# Altium PCB Wall_Following_Robot_PCB.PcbDoc (part 2 of 2) (continued)
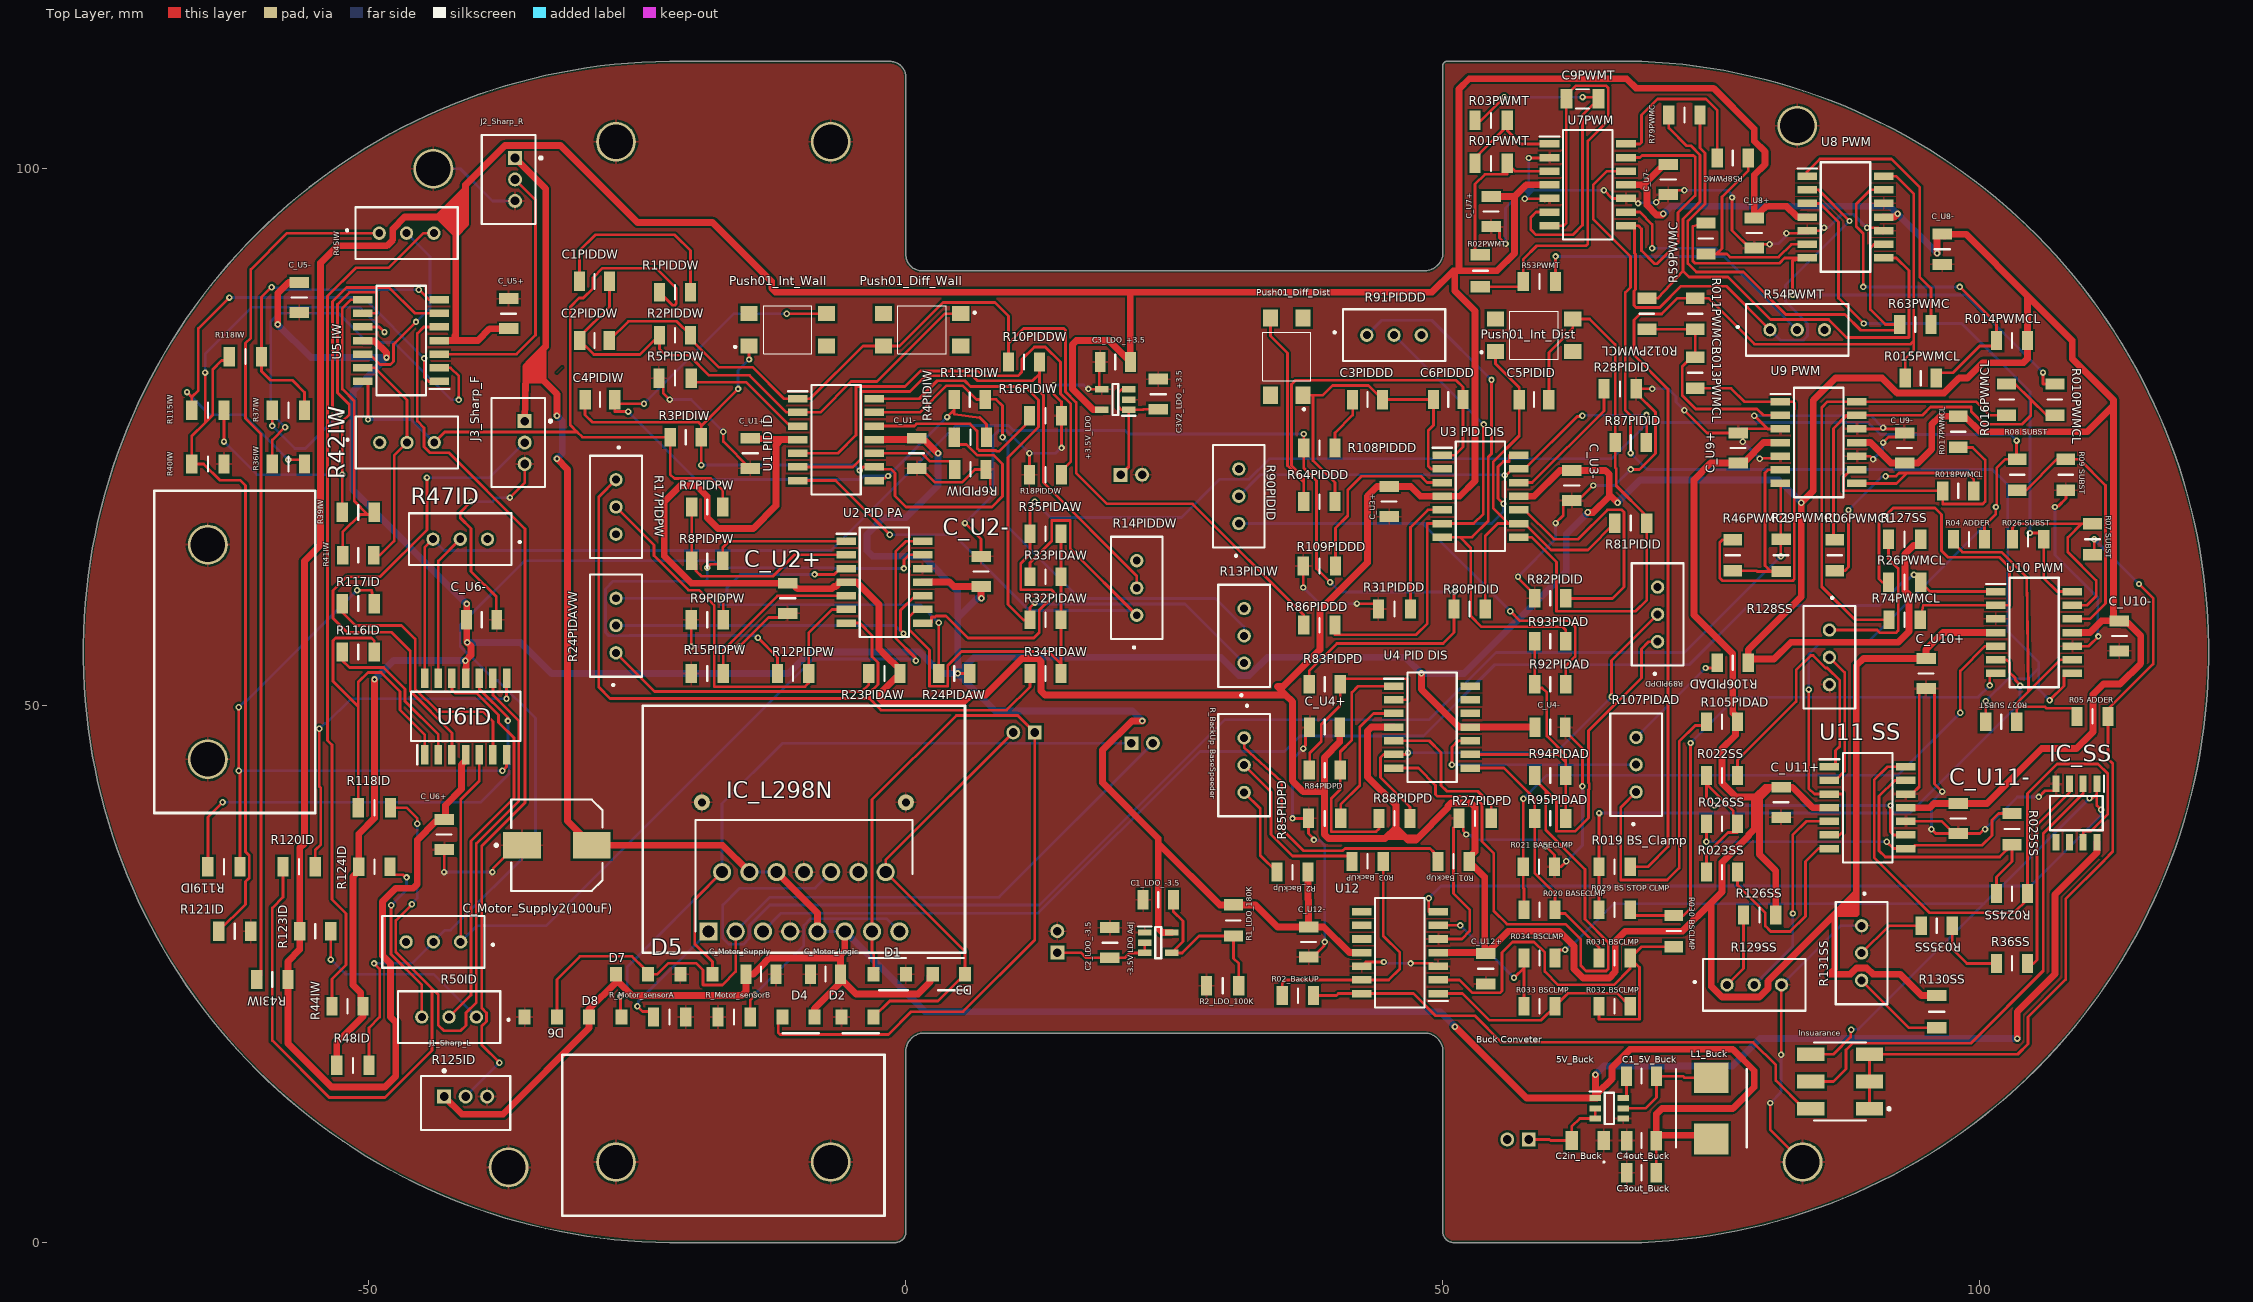
[diagram p0: Top Layer view]
## Nets (pads, with @x,y where several pads share a name; then routed paths per layer and width w, separated by ;. In a path a pad name is that pad's centre, name@x,y a point inside that pad or via, vN(x,y) a via of type N, cw(c..) or ccw(c..) an arc to the next point about the centre after c; other vN are vias at no path point) (continued)
"U3 PID DIS 4OUT": "U3 PID DIS.14" R90PIDID.1 R92PIDAD.1 | length 56.1
  Top Layer w0.254: v1(55.648,68.797) 55.145,69.3 55.145,72.246 55.632,72.734 56.181,72.734 56.181,73.31 57.062,73.31 ; v1(56.283,58.789) 57.172,57.9 61.744,57.9 62.328,57.316 62.328,54.562 61.45,53.684 R92PIDAD.1@61.45,52
  Bottom Layer w0.254: R90PIDID.1@31,66.96 48.112,66.96 ; v1(55.648,68.797) 55.648,68.06 54.548,66.96 48.112,66.96 ; v1(56.283,58.789) 48.112,66.96
"U4 PID DIS 1IN+": "U4 PID DIS.3" R85PIDPD.2 | length 12.9
  Top Layer w0.254: R85PIDPD.2@40.5,39.5 40.5,40.822 42.262,42.584 42.262,47.994 43.538,49.27 45.438,49.27
"U4 PID DIS 1IN-": "U4 PID DIS.2" R83PIDPD.2 R84PIDPD.1 | length 19.2
  Top Layer w0.254: R84PIDPD.1@37.55,44 37.607,44.057 37.607,45.607 38.681,46.681 38.681,48.257 40.45,50.026 R83PIDPD.2@40.45,52 40.45,52.515 46.681,52.515 46.681,50.54 45.438,50.54
"U4 PID DIS 1OUT": "U4 PID DIS.1" R84PIDPD.2 R88PIDPD.1 | length 23.4
  Top Layer w0.254: R88PIDPD.1@44.05,39.5 44.05,38.52 43.796,38.266 39.621,38.266 39.621,41.374 40.45,42.203 R84PIDPD.2@40.45,44 40.45,45.708 41.526,46.784 41.526,51.22 42.116,51.81 45.438,51.81
"U4 PID DIS 2IN+": "U4 PID DIS.5" R27PIDPD.1 | length 14.6
  Top Layer w0.254: 45.438,46.73 48.733,46.73 49.831,45.632 49.831,42.584 50.39,42.026 53.255,42.026 54.5,40.781 R27PIDPD.1@54.5,39.5
"U4 PID DIS 2IN-": "U4 PID DIS.6" R88PIDPD.2 R89PIDPD.2 | length 40.1
  Top Layer w0.254: v1(46.758,45.607) 46.611,45.46 45.438,45.46 44.472,45.46 44.193,45.181 44.193,43.309 46.95,40.552 R88PIDPD.2@46.95,39.5 ; v1(65.706,50.814) 65.706,54.206 R89PIDPD.2@70,58.5
  Bottom Layer w0.254: v1(46.758,45.607) 60.499,45.607 v1(65.706,50.814)
"U4 PID DIS 2OUT": "U4 PID DIS.7" R89PIDPD.1 R94PIDAD.1 | length 83.2
  Top Layer w0.254: 45.438,44.19 47.717,44.19 49.323,42.584 49.323,41.717 49.472,41.568 52.893,41.568 53.645,40.817 53.645,37.355 54.734,36.266 54.734,30.9 55.986,29.648 61.431,29.648 62.852,28.227 62.852,25.779 63.335,25.295 63.888,25.295 ; R94PIDAD.1@58.55,43.5 58.55,43.143 59.585,42.108 ; 63.888,25.295 65.212,25.295 65.405,25.488 65.405,27.95 63.242,30.113 63.242,34.761 59.585,38.418 59.585,42.108 ; R89PIDPD.1@70,55.96 69.176,55.96 68.5,55.284 68.5,52.592 63.573,47.664 63.573,42.818 63.63,42.761 63.63,42.239 63.573,42.182 63.573,39.536 62.328,38.291 60.576,38.291 60.576,41.117 59.585,42.108
"U4 PID DIS 3IN+": "U4 PID DIS.10" R107PIDAD.2 | length 20.8
  Top Layer w0.254: v1(50.847,44.5) 50.847,46.14 51.437,46.73 52.562,46.73
  Bottom Layer w0.254: v1(50.847,44.5) R107PIDAD.2@68,44.5
"U4 PID DIS 3IN-": "U4 PID DIS.9" R92PIDAD.2 R93PIDAD.2 R94PIDAD.2 R95PIDAD.1 | length 27.3
  Top Layer w0.254: 52.562,45.46 60.728,45.46 61.45,44.738 ; R93PIDAD.2@58.55,56 R92PIDAD.2@58.55,52 58.55,51.652 59.255,51.652 59.687,51.22 59.687,47.167 61.45,45.403 61.45,44.738 ; R95PIDAD.1@61.45,39.5 R94PIDAD.2@61.45,43.5 61.45,44.738
"U4 PID DIS 3OUT (DIS Error)": "R020 BASECLMP.1" "R031 BSCLMP.1" "U4 PID DIS.8" R95PIDAD.2 | length 25
  Top Layer w0.254: 52.562,44.19 55.699,44.19 58.55,41.339 R95PIDAD.2@58.55,39.5 58.55,34.4 60.45,32.5 60.45,31 60.45,30.646 61.39,30.646 64.55,27.486 64.55,26.5
"U4 SPEED SEL 4IN-": R035SS.2 R36SS.1 | length 6.8
  Top Layer w0.254: R035SS.2@97.45,29.5 97.45,27.344 98.796,25.998 101.55,25.998 R36SS.1@101.55,26
"U4 SPEED SEL 4OUT": IC_SS.3 R36SS.2 | length 18.7
  Top Layer w0.254: R36SS.2@104.45,26 104.45,25.998 105,25.998 105.33,26.328 105.33,38.876 108.365,41.91 IC_SS.3@108.365,42.712
"U5 INS AMP 1IN+(Connector01)": "U5 IW.3" J2_Sharp_R.2 | length 25
  Top Layer w0.254: -43.438,82.73 -36.27,82.73 -34.5,84.5 -34.5,97.1 J2_Sharp_R.2@-36.4,99
"U5 INS AMP 1IN-": "U5 IW.2" R36IW.1 | length 39.8
  Top Layer w0.254: R36IW.1@-59,72.5 -59,74.748 v1(-57.814,75.934) ; -43.438,81.46 -42.396,81.46 -41.634,80.698 v1(-41.634,78.474)
  Bottom Layer w0.254: v1(-57.814,75.934) -59.148,77.268 -59.148,85.768 -58.644,86.272 -58.576,86.272 -58.307,86.541 -52.852,86.541 -50.135,83.824 -47.676,83.824 -42.326,78.474 v1(-41.634,78.474)
"U5 INS AMP 1OUT": "U5 IW.1" R36IW.2 R115IW.1 | length 50.3
  Top Layer w0.254: v1(-66.945,79.198) -66.5,78.753 ; R115IW.1@-66.5,77.5 -66.5,78.753 ; v1(-63,88) -65.886,85.114 -65.886,79.367 -66.5,78.753 ; v1(-57.509,72.886) -56,72.886 R36IW.2@-56,72.5 ; v1(-44.86,82.335) -44.86,80.622 -44.428,80.19 -43.438,80.19
  Bottom Layer w0.254: v1(-66.945,79.198) -64.824,77.077 -61.7,77.077 v1(-57.509,72.886) ; v1(-63,88) -50.525,88 v1(-44.86,82.335)
"U5 INS AMP 2IN+(Connector02)": "U5 IW.5" J1_Sharp_L.2 | length 82.6
  Top Layer w0.254: -43.438,85.27 -44.897,85.27 -45.495,84.672 -45.495,76.495 -44.87,75.87 -44.87,74.106 -44.314,73.55 -42.55,73.55 -35.462,66.462 -35.462,40.958 -39.5,36.92 -39.5,21.844 -39.05,21.394 -39.05,20.606 -39.5,20.156 -39.5,18.401 v1(-37.849,16.751)
  Bottom Layer w0.254: J1_Sharp_L.2@-41,13.6 v1(-37.849,16.751)
"U5 INS AMP 2IN-": "U5 IW.6" R37IW.1 | length 32.2
  Top Layer w0.254: v1(-59,76.054) R37IW.1@-59,77.5 ; v1(-52.734,77.153) -53.395,77.815 -53.395,87.643 -52.09,88.947 -48.131,88.947 -45.723,86.54 -43.438,86.54
  Bottom Layer w0.254: v1(-59,76.054) -56.899,73.953 -55.934,73.953 v1(-52.734,77.153)
"U5 INS AMP 2OUT": "U5 IW.7" R37IW.2 R118IW.1 | length 30.8
  Top Layer w0.254: v1(-59.065,88.971) -60,88.037 R118IW.1@-60,82.5 -60,81.143 -59.16,80.303 -57.128,80.303 -56,79.175 R37IW.2@-56,77.5 ; v1(-45.354,88.736) -44.428,87.81 -43.438,87.81
  Bottom Layer w0.254: v1(-59.065,88.971) -58.999,88.905 -58.427,88.905 -58.257,88.736 v1(-45.354,88.736)
"U5 INS AMP 3IN+": "U5 IW.10" R40IW.1 R118IW.2 R121ID.1 | length 88.6
  Top Layer w0.254: v1(-65.256,81.014) -65.256,76.34 ; R121ID.1@-64,29 -61.5,31.5 -61.5,33.608 -61.145,33.963 -61.145,36.037 -61.5,36.392 -61.5,70.5 -62,71 -63.892,71 -65.392,72.5 R40IW.1@-66.5,72.5 -66.5,75.096 -65.256,76.34 ; R118IW.2@-63,82.5 -63,82.132 -63.732,82.132 -64.545,81.319 -64.545,77.051 -65.256,76.34 ; -50.562,85.27 -49.039,85.27 v1(-48.555,84.786)
  Bottom Layer w0.254: v1(-65.256,81.014) -65.256,82.744 -60.89,87.11 -50.88,87.11 v1(-48.555,84.786)
"U5 INS AMP 3IN-": "U5 IW.9" R39IW.1 R115IW.2 | length 42.6
  Top Layer w0.254: v1(-63.5,74.588) R115IW.2@-63.5,77.5 ; R39IW.1@-52.5,68 v1(-52.5,71.509) -52.5,76.452 -51.824,77.128 -51.824,78.022 -52.938,79.135 -52.938,87.372 -51.819,88.49 -49.305,88.49 -49.305,86.54 -50.562,86.54
  Bottom Layer w0.254: v1(-63.5,74.588) -60.421,71.509 v1(-52.5,71.509)
"U5 INS AMP 3OUT": "U5 IW.8" R39IW.2 R41IW.1 | length 28.4
  Top Layer w0.254: R41IW.1@-52.45,64 -52.45,66.155 -50.799,67.806 -50.118,67.806 ; -50.562,87.81 -50.579,87.793 -51.707,87.793 -52.481,87.019 -52.481,79.481 -51.367,78.367 -51.367,69.056 -50.118,67.806 ; R39IW.2@-49.5,68 -49.5,67.806 -50.118,67.806
"U5 INS AMP 4IN+": "U5 IW.12" R45IW.2 | length 17.6
  Top Layer w0.254: -50.562,82.73 -49.949,82.73 -48.983,81.763 -48.001,81.763 -47.717,82.048 -47.717,83.643 v1(-45.622,85.739)
  Bottom Layer w0.254: R45IW.2@-46.5,94 -44.326,91.826 -44.326,87.034 v1(-45.622,85.739)
"U5 INS AMP 4IN-": "U5 IW.13" R41IW.2 R42IW.2 | length 21.4
  Top Layer w0.254: -50.562,81.46 -49.452,81.46 -46.46,78.468 R42IW.2@-46.46,74.5 -47.654,73.306 -47.654,65.342 -49,63.996 -49.55,63.996 R41IW.2@-49.55,64
"U6 INS AMP DIS 1IN+": J3_Sharp_F.2 U6ID.3 | length 48.7
  Top Layer w0.254: v1(-44.606,71.235) -44.606,66.358 -48.949,62.015 -52.07,62.015 -53.355,60.73 -53.355,58.141 -52.048,56.833 -47.882,56.833 -46.157,55.108 -46.157,51.348 -42.27,47.461 U6ID.3@-42.27,45.438
  Bottom Layer w0.254: v1(-44.606,71.235) -38.765,71.235 J3_Sharp_F.2@-35.5,74.5
"U6 INS AMP DIS 1IN-": R116ID.1 U6ID.2 | length 15.1
  Top Layer w0.254: R116ID.1@-52.5,55 -52.5,54.227 -51.817,53.544 -48.633,53.544 -46.645,51.556 -46.645,50.412 -43.54,47.307 U6ID.2@-43.54,45.438
"U6 INS AMP DIS 1OUT": R116ID.2 R118ID.1 U6ID.1 | length 35.7
  Top Layer w0.254: R118ID.1@-51,40.5 -51,49.918 ; R116ID.2@-49.5,55 -49.5,56.038 -49.762,56.3 -53.101,56.3 -53.355,56.046 -53.355,52.273 -51,49.918 ; U6ID.1@-44.81,45.438 -44.81,47.298 -47.102,49.59 -47.102,51.324 -48.865,53.087 -50.1,53.087 -51,52.187 -51,49.918
"U6 INS AMP DIS 2IN-": R117ID.1 U6ID.6 | length 24.9
  Top Layer w0.254: R117ID.1@-52.5,59.5 -52.5,58.727 -51.241,57.468 -46.968,57.468 -45.7,56.201 -45.7,51.552 -43.59,49.442 -39.374,49.442 -38.46,48.528 U6ID.6@-38.46,45.438
"U6 INS AMP DIS 2OUT": R117ID.2 R119ID.1 U6ID.7 | length 59.4
  Top Layer w0.254: v1(-62.13,43.93) v1@-62,43.93 ; v1(-62.13,49.853) -62.13,44.06 v1@-62,43.93 ; R119ID.1@-62,35 v1@-62,43.93 ; v1(-51.108,60.745) -49.762,60.745 R117ID.2@-49.5,59.5 ; v1(-37.57,43.93) -37.19,44.31 U6ID.7@-37.19,45.438
  Bottom Layer w0.254: v1(-62.13,43.93) v1(-37.57,43.93) ; v1(-62.13,49.853) -61.624,50.359 -61.494,50.359 v1(-51.108,60.745)
"U6 INS AMP DIS 3IN+": R119ID.2 U6ID.10 | length 44.4
  Top Layer w0.254: R119ID.2@-65,35 -65,39.63 v1(-63.63,41) ; U6ID.10@-39.73,52.562 -39.73,51.569 -37.062,48.901 v1(-37.062,48.578)
  Bottom Layer w0.254: v1(-63.63,41) -39.609,41 -36.94,43.669 -36.94,46.016 -37.062,46.138 v1(-37.062,48.578)
"U6 INS AMP DIS 3IN-": R118ID.2 R120ID.1 U6ID.9 | length 104.3
  Top Layer w0.254: R120ID.1@-58,35 -58,32.162 -59,31.162 -59,18.802 -53.698,13.5 -48.5,13.5 -44.123,17.877 -44.123,23.661 ; R118ID.2@-48,40.5 -46.5,40.5 -45.5,39.5 v1(-45.5,39) ; v1(-46,31.5) -47.501,29.999 -47.501,27.039 -44.123,23.661 ; U6ID.9@-38.46,52.562 -38.46,50.977 -36.046,48.563 -36.046,41.111 -40,37.157 -40,22.374 -40.974,21.4 -40.974,20.232 -41.482,19.724 -43.031,19.724 -43.539,20.232 -43.539,23.077 -44.123,23.661
  Bottom Layer w0.254: v1(-46,31.5) -46,31.594 -45.5,32.094 v1(-45.5,39)
"U6 INS AMP DIS 3OUT": R120ID.2 U6ID.8 | length 33.6
  Top Layer w0.254: R120ID.2@-55,35 -55,36.539 -54.486,37.052 -54.486,42.328 -54.63,42.472 v1(-54.63,47.842) ; v1(-37.19,50.636) U6ID.8@-37.19,52.562
  Bottom Layer w0.254: v1(-54.63,47.842) -54.131,48.341 -53.987,48.341 -51.692,50.636 v1(-37.19,50.636)
"U6 INS AMP DIS 4IN+": R125ID.2 U6ID.12 | length 37.6
  Top Layer w0.254: R125ID.2@-42.54,21 -40.5,23.04 -40.5,37.393 -36.503,41.39 -36.503,47.009 -37.939,48.445 -37.939,49.125 -39.985,51.171 -41.967,51.171 -42.27,51.474 U6ID.12@-42.27,52.562
"U6 INS AMP DIS 4IN-": R47ID.2 U6ID.13 | length 13.8
  Top Layer w0.254: U6ID.13@-43.54,52.562 -43.54,63.46 R47ID.2@-41.5,65.5
"U7 3OUT CTRL TRANG VAVE": "U8 PWM.2" R54PWMT.1 U7PWM.8 U7PWM.13 | length 69.6
  Top Layer w0.254: U7PWM.8@67.062,94.69 U7PWM.8@67.789,94.69 ; U7PWM.13@67.062,101.04 68.351,101.04 68.551,101.24 73.351,101.24 73.5,101.091 73.5,97.5 71.904,95.904 71.904,93.105 69.948,91.149 69.72,91.149 68.5,92.368 68.5,94.4 68.21,94.69 U7PWM.8@67.789,94.69 ; R54PWMT.1@80.46,85 76.394,89.066 72.183,89.066 70.202,87.085 67.998,87.085 67.795,87.288 67.795,88.612 67.942,88.759 67.942,92.024 67.847,92.118 67.847,94.632 U7PWM.8@67.789,94.69 ; 83.938,98.04 84.977,98.04 87.87,95.147 v1(87.87,95.13)
  Bottom Layer w0.254: R54PWMT.1@80.46,85 81.423,84.037 83.588,84.037 83.969,84.418 83.969,85.569 81.903,87.635 81.903,89.164 v1(87.87,95.13)
"U7 PWM 1IN+": R01PWMT.1 R02PWMT.2 U7PWM.3 | length 15.5
  Top Layer w0.254: R02PWMT.2@53.5,92 53.398,92 53,92.398 53,98.559 53.921,99.48 56,99.48 R01PWMT.1@56,100.5 56.73,99.77 U7PWM.3@59.938,99.77
"U7 PWM 1OUT": R01PWMT.2 R03PWMT.1 U7PWM.1 | length 10.1
  Top Layer w0.254: R01PWMT.2@53,100.5 53,100.979 R03PWMT.1@56,103.979 ; R03PWMT.1@56,104.5 R03PWMT.1@56,103.979 ; U7PWM.1@59.938,102.31 57.234,102.31 56,103.544 R03PWMT.1@56,103.979
"U7 PWM 2IN-": C9PWMT.1 R03PWMT.2 U7PWM.6 | length 33.4
  Top Layer w0.254: R03PWMT.2@53,104.5 53.556,104.5 v1(55.724,106.668) ; U7PWM.6@59.938,95.96 58.696,95.96 58.188,95.452 58.188,94.349 58.696,93.841 62.1,93.841 63,94.742 63,105.001 C9PWMT.1@64.499,106.5 64.499,106.668 v1(63.014,106.668)
  Bottom Layer w0.254: v1(55.724,106.668) v1(63.014,106.668)
"U7 PWM 2OUT": C9PWMT.2 R02PWMT.1 R53PWMT.1 U7PWM.7 | length 46.2
  Top Layer w0.254: R02PWMT.1@53.5,89 57.102,89 57.5,89.398 R53PWMT.1@57.5,89.5 57.5,91.578 58.747,92.825 63.351,92.825 63.5,92.974 63.5,102.582 65.402,104.484 65.402,107.524 65.194,107.732 62.39,107.732 61.501,106.843 61.501,94.955 61.236,94.69 U7PWM.7@59.938,94.69
"U7 PWM 3IN-": R53PWMT.2 R54PWMT.2 U7PWM.9 | length 39.8
  Top Layer w0.254: R53PWMT.2@60.5,89.5 v1(60.5,91.835) ; U7PWM.9@67.062,95.96 68.355,95.96 69.491,94.825 v1(69.491,92.597)
  Bottom Layer w0.254: v1(60.5,91.835) 76.165,91.835 ; v1(69.491,92.597) 75.403,92.597 76.165,91.835 ; R54PWMT.2@83,85 76.165,91.835
"U7 PWM 4OUT": R58PWMC.1 U7PWM.14 | length 16.6
  Top Layer w0.254: U7PWM.14@67.062,102.31 68.351,102.31 68.5,102.459 68.5,105 70,106.5 74.5,106.5 75.55,105.45 R58PWMC.1@75.55,101
"U8 PWM 1OUT": "U8 PWM.1" R63PWMC.1 | length 25.7
  Top Layer w0.254: 83.938,99.31 83.918,99.31 83.918,99.709 85.112,100.902 91.792,100.902 94.408,98.286 94.408,89.904 95.45,88.863 R63PWMC.1@95.45,85.5
"U8 PWM 2IN-": "U8 PWM.6" R58PWMC.2 R59PWMC.1 | length 20.2
  Top Layer w0.254: R59PWMC.1@74.5,92.05 75.46,92.05 ; R58PWMC.2@78.45,101 78.45,99.836 75.993,97.379 75.993,92.583 75.46,92.05 ; 83.938,92.96 82.46,92.96 81.26,91.76 76.74,91.76 76.45,92.05 75.46,92.05
"U8 PWM 3IN-": "U8 PWM.9" R63PWMC.2 R79PWMC.1 | length 48
  Top Layer w0.254: R79PWMC.1@73.95,105 73.95,101.935 74.414,101.47 74.414,96.731 72.818,95.135 72.818,91.163 73.607,90.374 77.987,90.374 81.937,86.424 87.449,86.424 88.917,84.956 89.247,84.956 89.252,84.951 92.55,84.951 R63PWMC.2@92.55,85.485 ; 91.062,92.96 90.149,92.96 89.811,92.622 89.811,86.882 91.208,85.485 R63PWMC.2@92.55,85.485 ; R63PWMC.2@92.55,85.5 R63PWMC.2@92.55,85.485
"U8 PWM 4IN-": "U8 PWM.13" R014PWMCL.2 R015PWMCL.1 | length 33.8
  Top Layer w0.254: v1(89.151,88.99) 89.151,93.958 88.5,94.609 88.5,96.729 89.811,98.04 91.062,98.04 ; R015PWMCL.1@95.95,80.5 95.95,80.602 96.348,81 97.5,81 100,83.5 101.4,83.5 101.55,83.65 101.55,85.586 v1(98.146,88.99)
  Bottom Layer w0.254: v1(89.151,88.99) v1(98.146,88.99)
"U8 PWM 4OUT + Vsat": "R019 BS_Clamp.1" "U8 PWM.14" R011PWMCL.1 R015PWMCL.2 | length 104.5
  Top Layer w0.254: 67.45,35 67.45,34.989 69.085,34.989 70.964,36.869 70.964,79.465 67.795,82.634 67.795,85.922 68.348,86.475 70.38,86.475 71.855,87.95 R011PWMCL.1@73.5,87.95 74.736,87.95 79.021,83.665 93.542,83.665 93.862,83.986 ; 91.062,99.31 92.216,99.31 93.862,97.664 93.862,83.986 ; R015PWMCL.2@93.05,80.5 93.05,82.297 93.862,83.11 93.862,83.986
"U9 PWM 1IN-": "U9 PWM.2" R011PWMCL.2 R012PWMCL.2 R013PWMCL.1 | length 21.3
  Top Layer w0.254: R012PWMCL.2@69,85.05 R011PWMCL.2@73.5,85.05 R013PWMCL.1@73.5,82.45 73.15,82.45 72.295,81.595 72.295,78.888 73.553,77.63 79.261,77.63 79.851,77.04 81.438,77.04
"U9 PWM 1OUT": "U9 PWM.1" R013PWMCL.2 R46PWMCL.1 | length 37.9
  Top Layer w0.254: R013PWMCL.2@73.5,79.55 76.832,79.55 78.072,78.31 82.601,78.31 82.75,78.161 82.75,77.612 82.737,77.599 82.737,61.783 82.588,61.634 76.044,61.634 75.79,61.888 75.79,65.19 76.05,65.45 R46PWMCL.1@77,65.45
"U9 PWM 2IN-": "U9 PWM.6" R29PWMCL.1 R46PWMCL.2 | length 15.5
  Top Layer w0.254: R46PWMCL.2@77,62.55 79.219,62.55 79.269,62.5 80.54,62.5 ; 81.438,71.96 80.286,71.96 80.007,71.681 80.007,63.033 80.54,62.5 ; R29PWMCL.1@81.5,62.5 80.54,62.5
"U9 PWM 3IN-": "U9 PWM.9" R017PWMCL.2 R018PWMCL.1 | length 24.2
  Top Layer w0.254: 88.562,71.96 88.008,71.96 87.319,71.272 87.319,70.01 96.55,70.01 R018PWMCL.1@96.55,70 96.55,68.771 100.276,68.771 100.504,69 100.504,72.882 99.336,74.05 R017PWMCL.2@98,74.05
"U9 PWM 3OUT": "U9 PWM.8" R06PWMCL.1 R018PWMCL.2 | length 26.2
  Top Layer w0.254: R06PWMCL.1@86.5,62.55 87.425,62.55 87.779,62.904 v1(87.779,68.213) ; 88.562,70.69 92.249,70.69 93.222,71.662 ; v1(91.233,71.37) 92.211,71.37 92.503,71.662 93.217,71.662 93.222,71.667 98.823,71.667 98.828,71.662 99.45,71.04 R018PWMCL.2@99.45,70
  Bottom Layer w0.254: v1(87.779,68.213) 90.87,71.304 91.167,71.304 v1(91.233,71.37)
"U9 PWM 4IN-": "U9 PWM.13" R06PWMCL.2 R010PWMCL.2 R016PWMCL.1 | length 38.1
  Top Layer w0.254: R06PWMCL.2@86.5,65.45 86.382,65.45 86.382,75.807 87.615,77.04 88.562,77.04 94.659,77.04 95.424,77.805 99.209,77.805 99.209,77.407 100.422,76.195 103.908,76.195 104.746,77.033 104.746,78.502 ; R016PWMCL.1@102.5,79.95 103.298,79.95 104.746,78.502 ; R010PWMCL.2@107,77.05 106.198,77.05 104.746,78.502
"U9 PWM 4OUT": "U9 PWM.14" R016PWMCL.2 R74PWMCL.1 | length 42.2
  Top Layer w0.254: R74PWMCL.1@91.55,58 88.365,58 85.29,61.075 85.29,77.777 85.823,78.31 88.562,78.31 99.662,78.31 100.922,77.05 R016PWMCL.2@102.5,77.05
"U10 ADDER 3IN-": "R04 ADDER.2" "R05 ADDER.2" "R027 SUBST.1" "U10 PWM.9" | length 34
  Top Layer w0.254: 97.55,65.5 97.55,65.139 98.394,64.295 102.021,64.295 104.386,61.93 104.543,51.322 ; 103.45,48.5 103.45,49.696 ; 108.624,54.27 107.491,54.27 104.543,51.322 ; 109.05,49 109.05,49.35 108.652,49.748 106.214,49.748 106.077,49.885 103.639,49.885 103.45,49.696 ; 103.45,49.696 103.45,50.229 104.543,51.322
"U10 BS STOP CLMP 2OUT": "R029 BS STOP CLMP.2" "R030 BSCLMP.1" "U10 PWM.7" | length 53.3
  Top Layer w0.254: 67.45,31 68,30.45 71.5,30.45 72.412,30.45 73.072,31.11 v1(73.072,46.521) ; v1(100.936,51.88) 100.936,53 101.5,53
  Bottom Layer w0.254: v1(73.072,46.521) 77.34,50.788 99.844,50.788 v1(100.936,51.88)
"U10 PWM 1IN-": "U10 PWM.2" R26PWMCL.1 R74PWMCL.2 | length 36.2
  Top Layer w0.254: R26PWMCL.1@91.5,61.5 91.5,61.482 90.954,61.482 90.624,61.812 90.624,67.095 91.945,68.416 95.831,68.416 96.44,67.806 96.44,64.428 97.05,63.818 101.825,63.818 102.765,62.879 102.765,59.35 101.5,59.35 94.731,59.35 R74PWMCL.2@94.45,58
"U10 PWM 2IN+": "R020 BASECLMP.2" "R021 BASECLMP.1" "U10 PWM.5" | length 62.5
  Top Layer w0.254: v1(57.5,41.337) 57.5,35 57.5,33.007 57.55,32.957 57.55,31 ; v1(98.193,49.34) 98.193,53.227 100.506,55.54 101.5,55.54
  Bottom Layer w0.254: v1(57.5,41.337) 59.687,43.524 92.376,43.524 v1(98.193,49.34)
"U10 PWM 2IN-": "R019 BS_Clamp.2" "R029 BS STOP CLMP.1" "U10 PWM.6" | length 58
  Top Layer w0.254: 64.55,31 64.55,35 v1(64.55,39.993) ; 101.5,54.27 102.509,54.27 102.765,54.014 102.765,53.1 103.304,52.561 103.304,52.381 103.756,51.929 v1(103.756,51.87)
  Bottom Layer w0.254: v1(64.55,39.993) 93.493,39.993 103.756,50.256 v1(103.756,51.87)
"U10 SUBST 4IN+": "R08 SUBST.2" "R09 SUBST.2" "U10 PWM.12" | length 25.1
  Top Layer w0.254: 103.5,70.05 104.289,70.05 107.189,72.95 108,72.95 109.267,72.95 111.706,70.512 111.706,59.528 110.258,58.08 108.624,58.08
"U10 SUBST 4IN-": "R07 SUBST.2" "R026 SUBST.1" "U10 PWM.13" | length 19.7
  Top Layer w0.254: 103.05,65.5 103.05,66.6 103.4,66.95 109.496,66.95 ; 108.624,59.35 110.004,59.35 110.842,60.188 110.842,61.646 108.201,64.288 108.201,65.655 109.496,66.95 ; 110.5,66.95 109.496,66.95
"U11 SPEED SEL 1IN-": "U11 SS.2" R128SS.2 | length 13
  Top Layer w0.254: 86,43.04 86.562,43.04 87.423,43.901 87.423,53.077 R128SS.2@86,54.5
"U11 SPEED SEL 1OUT": "U11 SS.1" R022SS.1 | length 26.4
  Top Layer w0.254: R022SS.1@77.45,43.5 77.45,44.946 82.9,50.396 82.9,53.3 84.273,54.673 84.483,54.673 85.651,53.505 85.798,53.505 86.966,52.338 86.966,46.216 86.56,45.81 86.56,44.31 86,44.31
"U11 SPEED SEL 2IN+": "U11 SS.5" R129SS.2 | length 19.4
  Top Layer w0.254: v1(82.597,30.646) 82.597,37.985 83.842,39.23 86,39.23
  Bottom Layer w0.254: R129SS.2@79,24 82.597,27.597 v1(82.597,30.646)
"U11 SPEED SEL 2OUT": "U11 SS.7" R023SS.1 | length 18.4
  Top Layer w0.254: R023SS.1@77.45,34.5 77.45,33.279 80.032,30.697 80.032,29.478 80.54,28.97 82.343,28.97 83.766,30.392 83.766,35.472 84.984,36.69 86,36.69
"U11 SPEED SEL 3IN-": "U11 SS.9" R022SS.2 R023SS.2 R026SS.1 | length 34.6
  Top Layer w0.254: R023SS.2@74.55,34.5 74.55,36.189 76.556,38.194 77.45,38.194 R026SS.1@77.45,39 77.052,39.398 77.052,40.188 R022SS.2@74.55,42.69 ; R022SS.2@74.55,43.5 R022SS.2@74.55,42.69 ; v1(75.282,40.704) 74.55,41.437 R022SS.2@74.55,42.69 ; v1(91.691,40.704) 91.691,38.239 91.97,37.96 93.124,37.96
  Bottom Layer w0.254: v1(75.282,40.704) v1(91.691,40.704)
"U11 SPEED SEL 3OUT": "U11 SS.8" R025SS.1 R026SS.2 | length 32.6
  Top Layer w0.254: v1(74.55,37.326) R026SS.2@74.55,39 ; v1(91.335,37.326) 91.971,36.69 93.687,36.69 93.997,37 100.202,37 101.13,37.928 101.13,39.336 101.744,39.95 R025SS.1@103,39.95
  Bottom Layer w0.254: v1(74.55,37.326) v1(91.335,37.326)
"U11 SPEED SEL 4IN-": "U11 SS.13" R024SS.1 R025SS.2 | length 26.4
  Top Layer w0.254: 93.124,43.04 92.096,43.04 90.624,41.568 90.624,36.488 91.208,35.904 101.854,35.904 R025SS.2@103,37.05 103,35.5 101.55,34.05 R024SS.1@101.55,32.5
"U11 SPEED SEL 4OUT": "U11 SS.14" IC_SS.7 R024SS.2 | length 54.2
  Top Layer w0.254: 93.124,44.31 91.41,44.31 90.167,43.067 90.167,35.853 95.297,30.722 103.205,30.722 104.45,31.967 R024SS.2@104.45,32.5 104.45,41.805 107.21,44.565 111.02,44.565 111.93,43.656 111.93,39.912 110.346,38.329 109.635,38.329 IC_SS.7@109.635,37.288
"U12 BackUp Speeder 4IN-": R02_BackUP.2 R03_BackUP.2 U12.13 | length 23.3
  Top Layer w0.254: R02_BackUP.2@35.05,23 35.05,24.182 35.328,24.46 U12.13@42.438,24.46 44.96,24.46 46,25.5 46,27 44.45,28.55 R03_BackUP.2@44.45,35.5
"U12 BackUp Speeder 4OUT": Insuarance.2 R02_BackUP.1 U12.14 | length 51.7
  Top Layer w0.254: R02_BackUP.1@37.95,23 40.078,23 40.268,23.19 U12.14@42.438,23.19 47.266,23.19 49.335,21.121 53.006,21.121 55.48,18.648 78.896,18.648 81.012,16.532 81.012,15.083 83.635,12.46 Insuarance.2@84.27,12.46
"U12 BS STOP CLMP 1IN-": "R030 BSCLMP.2" "R031 BSCLMP.2" "R032 BSCLMP.1" U12.2 | length 42.3
  Top Layer w0.254: U12.2@49.562,24.46 51.554,24.46 52.76,23.255 55.318,23.255 55.5,23.437 55.5,27 56.5,28 58.5,28 59.5,27 59.5,25.245 60.745,24 63.351,24 ; 63.352,23.999 65.748,23.999 ; 64.55,22 64.55,20.791 68.323,20.791 68.323,25.627 67.45,26.5 ; 65.749,24 65.944,24 67.45,25.506 67.45,26.5 ; 71.5,27.55 68.5,27.55 67.45,26.5
"U12 BS STOP CLMP 1OUT": "R032 BSCLMP.2" "R033 BSCLMP.1" U12.1 | length 20.5
  Top Layer w0.254: U12.1@49.562,23.19 51.841,23.19 54.316,20.715 59.165,20.715 60.45,22 61.679,23.229 66.221,23.229 67.45,22
"U12 BS STOP CLMP 2IN-": "R033 BSCLMP.2" "R034 BSCLMP.1" U12.6 | length 14.9
  Top Layer w0.254: U12.6@49.562,29.54 v1(51.629,29.54) ; v1(56.626,24.664) 57.55,25.588 ; 57.55,22 57.55,25.588 ; 57.55,26.5 57.55,25.588
  Bottom Layer w0.254: v1(51.629,29.54) 53.241,27.928 53.362,27.928 v1(56.626,24.664)
"WALL ERROR": "U5 IW.14" R1PIDDW.1 R3PIDIW.1 R7PIDPW.1 R42IW.3 | length 72.3
  Top Layer w0.254: -50.562,80.19 -50.092,80.19 v1(-50.092,76.645) ; R42IW.3@-43.92,74.5 -42.94,75.48 -30.614,75.48 ; R1PIDDW.1@-22.95,88.5 -21.738,87.288 -21.528,87.288 -21.379,87.437 -21.379,88.862 -23.257,90.74 -28.247,90.74 -29.148,89.839 -29.148,88.865 -30.049,87.964 -30.427,87.964 -31.245,87.146 -31.245,76.112 -30.614,75.48 ; R7PIDPW.1@-17.05,68.5 -17.05,70.016 -18.182,71.148 -21.558,71.148 -21.95,71.54 R3PIDIW.1@-21.95,75 -30.133,75 -30.614,75.48
  Bottom Layer w0.254: v1(-50.092,76.645) -46.065,76.645 R42IW.3@-43.92,74.5
pads on no net: "U4 PID DIS.12" "U4 PID DIS.13" "U4 PID DIS.14" +7.4_Connector_Battery.2 IC_SS.5 IC_SS.6 Push01_Diff_Dist.2 Push01_Diff_Dist.3 Push01_Diff_Wall.2 Push01_Diff_Wall.3 Push01_Int_Dist.2 Push01_Int_Dist.3 Push01_Int_Wall.2 Push01_Int_Wall.3 R13PIDIW.3 R14PIDDW.3 R17PIDPW.3 R42IW.1 R47ID.1 R50ID.3 R54PWMT.3 R89PIDPD.3 R90PIDID.3 R91PIDDD.3 U12.8 U12.9 U12.10

## Polygon pours and split planes (outlines as drawn)
GND on Top Layer "GND_L01_P001" (solid, pour order 1): 0,108.5 0,92 ccw(c1.5,92) 1.5,90.5 48.5,90.5 ccw(c48.25,92.25) 50,92 50,109.6 cw(c50.4,109.6) 50.4,110 68.5,110 cw(c66.276,55) 68.5,0 51,0 cw(c51,1) 50,1 50,18 ccw(c48.25,17.75) 48.5,19.5 1.507,19.5 ccw(c1.748,17.75) 0,18.003 0,1 cw(c-1,1) -1,0 -22,0 cw(c-21.601,55) -22,110 -1.5,110 cw(c-1.5,108.5)

## Other copper
Top Layer:
  region net +VSS: 86,30.5 88.5,33 88.5,30.5
  region net +VSS: 44.5,37.5 45.5,38.5 46,38 48,38 47.5,37.5
  region net 5V: -33.5,83.5 -33.5,80 -35.5,80 -35.5,81.5
  region net 5V: -32,81.5 -32.5,81
  region net +VSS: -43.75,95.75 -41,98.5 -41,95 -42,94
Bottom Layer:
  region net GND: 58,98.5 57.5,98 58,97.5 58.5,98

## Silkscreen, mask and mechanical layers (free items; w line width, h text height)
Top Overlay:
  lines w0.254: -70,40 -70,70 -55,70 -55,40 -70,40 ; -32,2.5 -2,2.5 -2,17.5 -32,17.5 -32,2.5 ; -24.5,27 5.5,27 5.5,50 -24.5,50 -24.5,27
  text "Buck Conveter" at 53.1,18.6 h0.6
Mechanical 13:
  the board outline again, w0.381